# KiCad board RADAR_Main_Board_FIXED.kicad_pcb (continued)
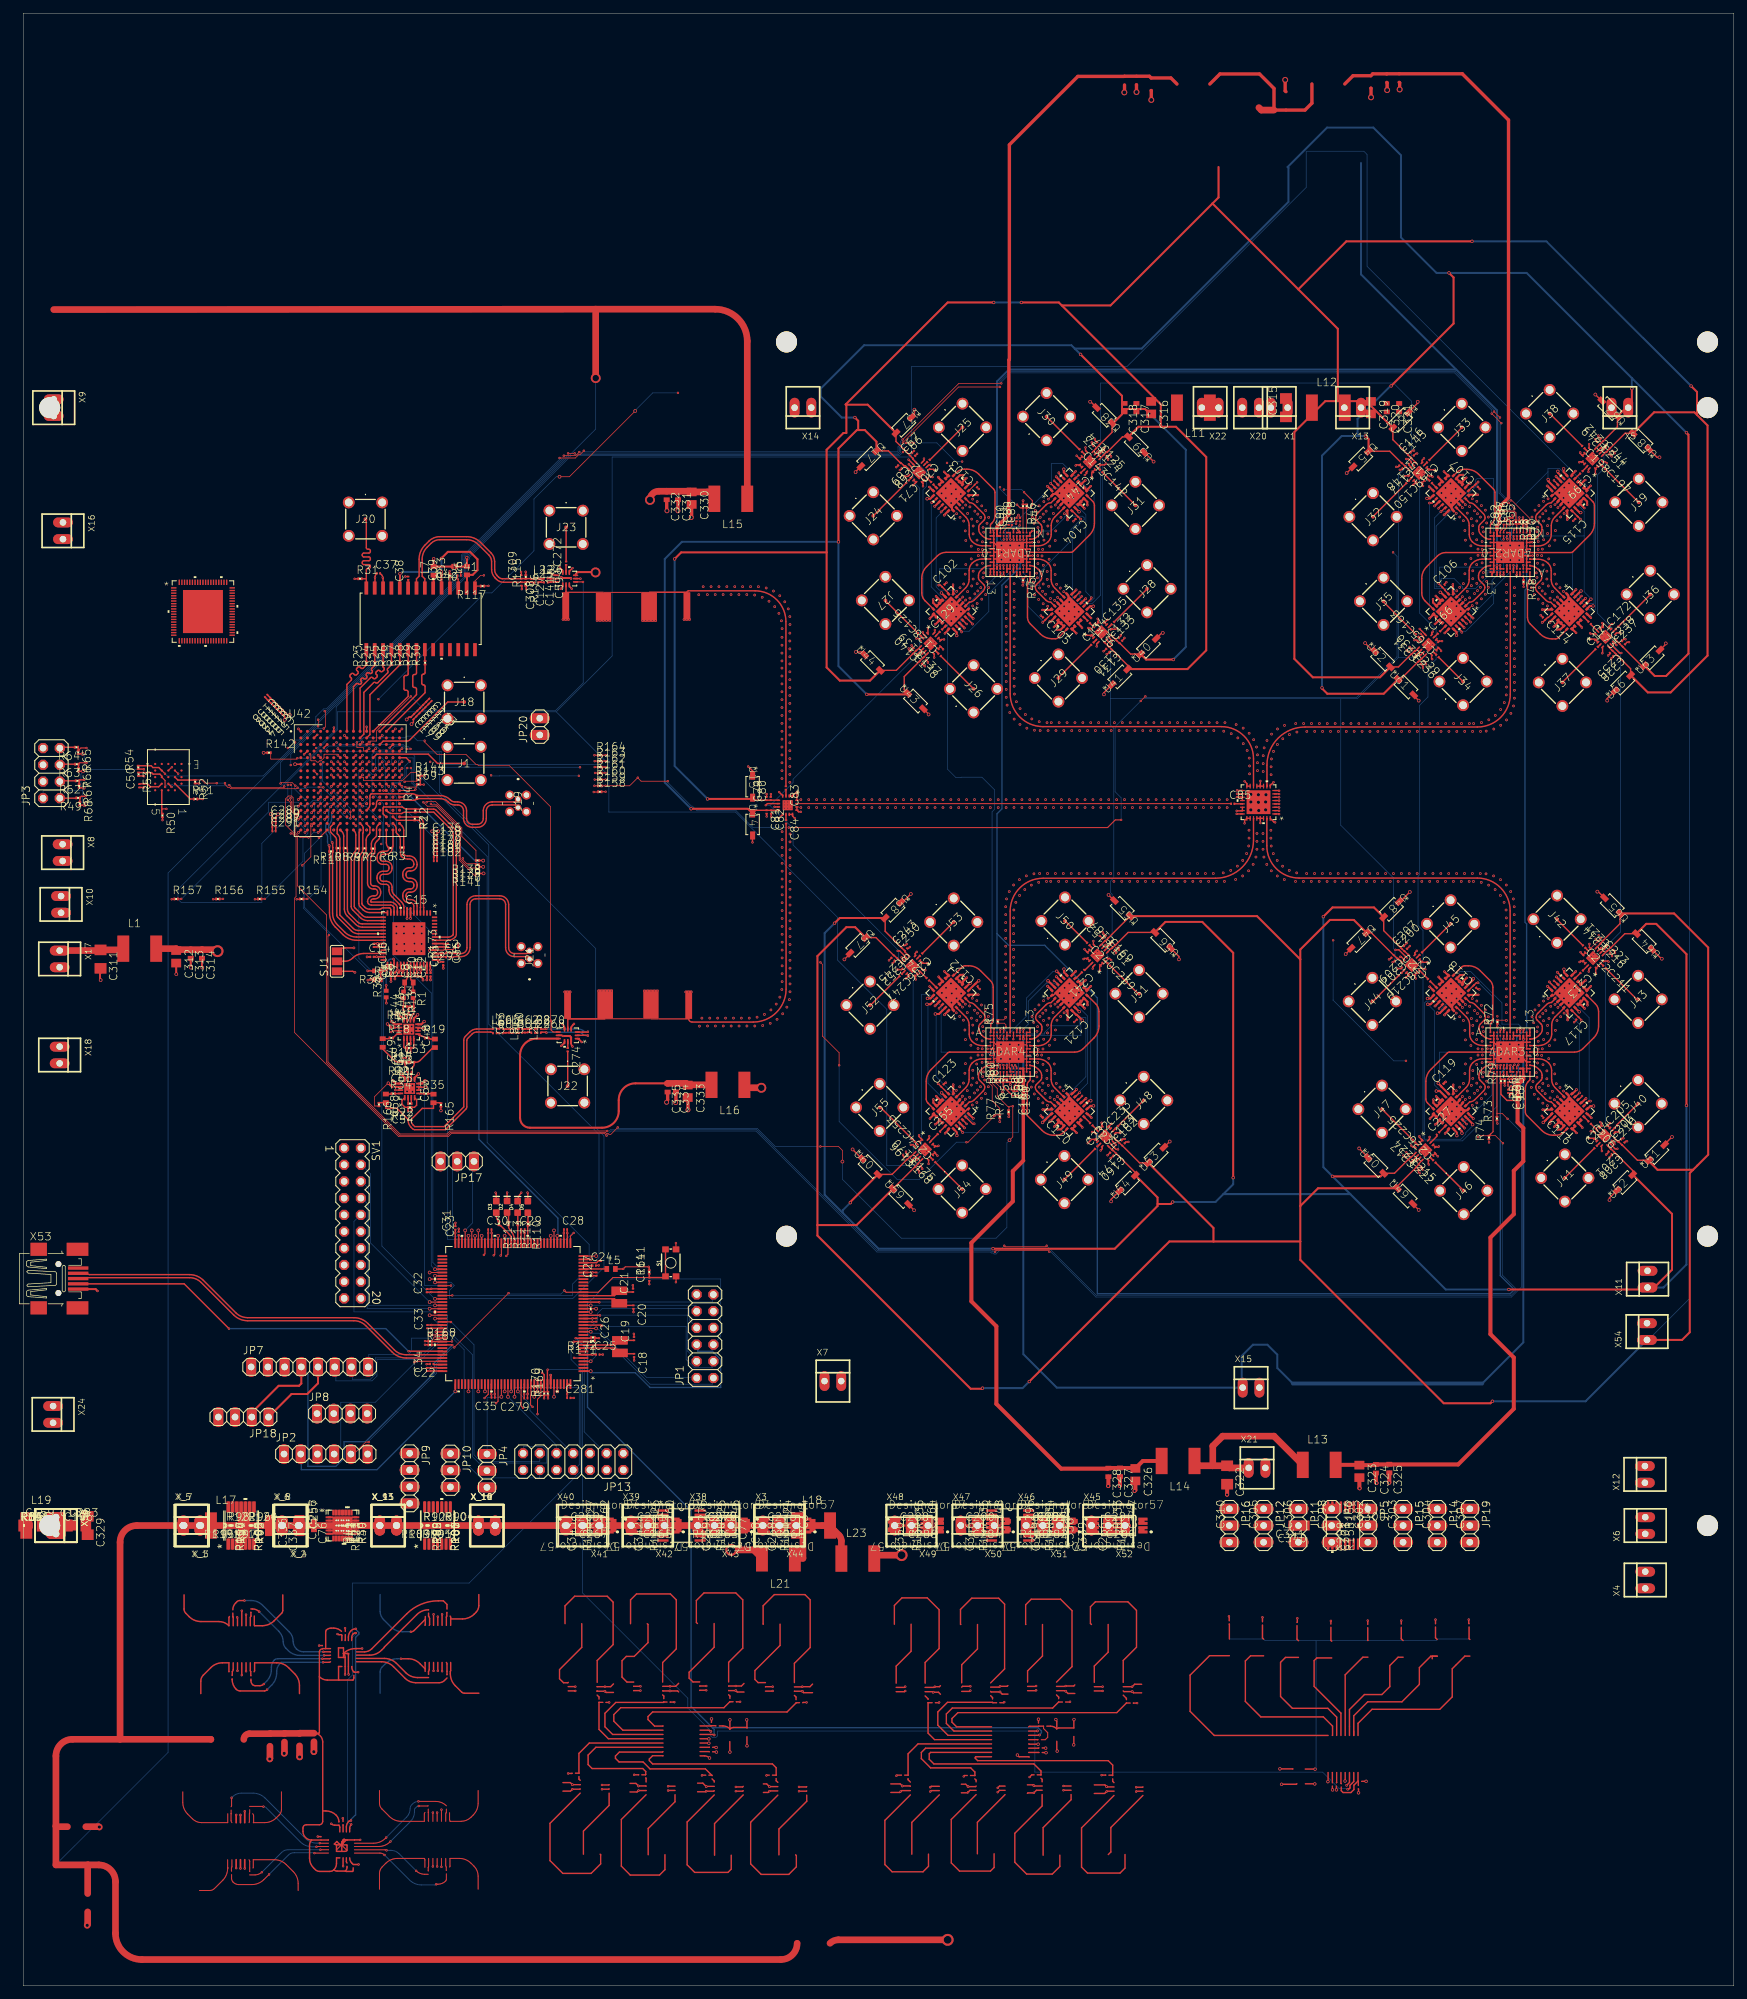
[diagram p0: board, top side]
## Footprints (pads in the part's own frame, mm; a bottom-side part is the same pattern mirrored in y, then rotated) (continued)
SJ_2
  rect 1.168x1.6 smd: 1(-1.524,0) 2(0,0) 3(1.524,0)
SOD-123_ONS
  rect 1.219x0.762 smd: 1(-1.676,0) 2(1.676,0)
TACTILE_SWITCH_SMD_4.6X2.8MM
  rect 0.9x1 smd: 1(-2.05,-0.8) 2(2.05,-0.8) 3(2.05,0.8) 4(-2.05,0.8)
UDB_12_ADI
  rrect 0.813x0.254 smd: 1(-1.448,0.5) 2(-1.448,0) 3(-1.448,-0.5) 7(1.448,-0.5) 8(1.448,0) 9(1.448,0.5)
  rrect 0.254x0.813 smd: 4(-0.5,-0.953) 5(0,-0.953) 6(0.5,-0.953) 10(0.5,0.953) 11(0,0.953) 12(-0.5,0.953)
XTAL_NX3225GD-8MHZ-STD-CRA-3_N
  rect 1.295x2.388 smd: 1(-0.953,0) 2(0.953,0)

## Nets
+1V0_FPGA: U42.E10 U42.F7 U42.F9 U42.F11 U42.G6 U42.H9 U42.J6 U42.J8 U42.K9 U42.L8 X8.1
+1V8_CLOCK: C311.1 L1.1 X17.1
+1V8_CLOCK_F: C4.2 C5.2 C6.2 C7.2 C8.2 C9.2 C10.2 C11.2 C12.2 C13.2 C14.2 C293.2 C312.1 C313.1 C314.1 L1.2 SJ1.3 U1.27 U1.30 U1.32 U1.33 U1.34 U1.37 U1.38 U1.39 U1.41 U1.42 U1.43 U1.46
+1V8_FPGA: C15.2 C16.2 C36.2 C285.2 C287.2 C289.2 C291.2 R154.1 R155.1 R156.1 R157.1 U1.7 U1.24 U1.47 U42.F8 U42.G8 U42.G10 U42.J10 U42.K11 U42.L10 U42.M3 U42.R4 U42.T1 X10.1
+3V3: C25.1 C26.1 C27.1 C28.1 C29.1 C30.1 C31.1 C32.1 C33.1 C34.1 C35.1 C279.1 C281.1 JP2.1 JP7.2 JP8.1 JP18.4 L5.2 R111.2 R167.1 R168.1 R169.1 R170.1 R171.1 R172.1 U2.6 U2.17 U2.30 U2.39 U2.52 U2.62 U2.72 U2.84 U2.95 U2.108 U2.121 U2.131 U2.143 U2.144 X24.1
+3V3_ADAR1_F: ADAR1_0.M10 ADAR1_0.M11 ADAR1_0.N11 C316.1 C317.1 C318.1 L11.2
+3V3_ADAR2_F: ADAR2_0.M10 ADAR2_0.M11 ADAR2_0.N11 C319.1 C320.1 C321.1 L12.2 R78.1
+3V3_ADAR3_F: ADAR3_0.M10 ADAR3_0.M11 ADAR3_0.N11 C323.1 C324.1 C325.1 L13.2 R79.1
+3V3_ADAR4_F: ADAR4_0.M10 ADAR4_0.M11 ADAR4_0.N11 C326.1 C327.1 C328.1 L14.2 R80.1 R81.1
+3V3_ADAR12: C315.1 L11.1 L12.1 X20.1
+3V3_ADAR34: C322.1 L13.1 L14.1 X21.1
+3V3_ADTR: ADTR1107_1.24 ADTR1107_2.24 ADTR1107_3.24 ADTR1107_4.24 ADTR1107_5.24 ADTR1107_6.24 ADTR1107_7.24 ADTR1107_8.24 ADTR1107_9.24 ADTR1107_10.24 ADTR1107_11.24 ADTR1107_12.24 ADTR1107_13.24 ADTR1107_14.24 ADTR1107_15.24 ADTR1107_16.24 X4.1
+3V3_AN: C40.1 C42.1 C283.1 C329.1 L6.2 L15.1 L16.1 L17.1 L18.1 L21.1 L23.1 X9.1 X56.1
+3V3_AN1_F: C330.1 C331.1 C332.1 L15.2 U5.9
+3V3_AN2_F: C333.1 C334.1 C335.1 L16.2 U13.9
+3V3_AN3_F: C75.1 C76.1 C256.1 C257.1 C336.1 C337.1 L17.2 R39.2 R40.2 R42.1 R44.1 R123.2 U7.2 U7.8 U7.9 U69.2 U69.8 U69.9
+3V3_AN4_F: C77.1 C78.1 C298.1 C302.1 C303.1 C304.1 C305.1 C306.1 C307.1 C310.1 C338.1 C339.1 C340.1 C341.1 JP5.1 JP6.1 JP11.1 JP12.1 JP14.1 JP15.1 JP16.1 JP19.1 L18.2 R132.1 R150.1 R152.1
+3V3_AN5_F: C258.1 C259.1 C260.1 C262.1 C342.1 C343.1 C344.1 C345.1 L21.2 U11.6 U73.6 U74.6 U75.6 U76.6 U77.6 U78.6 U79.6
+3V3_AN6_F: C264.1 C266.1 C346.1 C347.1 C348.1 C349.1 C350.1 C351.1 L23.2 U80.6 U81.6 U82.6 U83.6 U84.6 U85.6 U86.6 U87.6
+3V3_FPGA: C17.2 C37.1 C41.1 C50.2 C55.2 C108.2 C109.2 C110.2 C111.2 C112.2 C113.2 C153.2 C154.2 C155.2 C156.2 C157.2 C158.2 C159.1 C176.2 C177.2 C178.2 C179.2 C180.2 C181.2 C182.2 JP3.2 L19.1 R50.2 R52.2 R53.2 R54.1 R65.2 R66.2 R67.2 R68.2 R69.2 R138.1 R141.1 R142.1 R143.2 R144.2 U3.17 U3.27 U9.B4 U42.A6 U42.A16 U42.B3 U42.B13 U42.C10 U42.D7 U42.E4 U42.E14 U42.F1 U42.H15 U42.J2 U42.J12 U42.L6 U42.L16 U42.M13 U42.N10 U42.P7 U42.R14 U42.T11 X16.1
+3V3_FT: C184.1 C185.1 C186.1 L19.2
+3V3_VDD_SW: ADTR1107_1.19 ADTR1107_2.19 ADTR1107_3.19 ADTR1107_4.19 ADTR1107_5.19 ADTR1107_6.19 ADTR1107_7.19 ADTR1107_8.19 ADTR1107_9.19 ADTR1107_10.19 ADTR1107_11.19 ADTR1107_12.19 ADTR1107_13.19 ADTR1107_14.19 ADTR1107_15.19 ADTR1107_16.19 X12.1
+3V4: C68.1 C69.1 C81.1 C82.1 C124.1 C125.1 C132.1 C133.1 C139.1 C140.1 C147.1 C148.1 C161.1 C162.1 C169.1 C170.1 C183.1 C196.1 C202.1 C203.1 C209.1 C210.1 C216.1 C217.1 C223.1 C224.1 C230.1 C231.1 C237.1 C238.1 C244.1 C245.1 C251.1 C252.1 RF_SW_1.8 RF_SW_2.8 RF_SW_3.8 RF_SW_4.8 RF_SW_5.8 RF_SW_6.8 RF_SW_7.8 RF_SW_8.8 RF_SW_9.8 RF_SW_10.8 RF_SW_11.8 RF_SW_12.8 RF_SW_13.8 RF_SW_14.8 RF_SW_15.8 RF_SW_16.8 U14.1 U17.1 U38.1 U40.1 U43.1 U45.1 U47.1 U49.1 U51.1 U53.1 U55.1 U57.1 U59.1 U61.1 U63.1 U65.1 U67.1 U$1.8 X1.1 X54.1
+5V0_0: U4.8 U4.13 U8.8 U8.13 X18.1
+5V0_PA_1: ADTR1107_1.8 ADTR1107_2.8 ADTR1107_3.8 ADTR1107_4.8 ADTR1107_7.8 X14.1
+5V0_PA_2: ADTR1107_5.8 ADTR1107_6.8 ADTR1107_8.8 ADTR1107_10.8 ADTR1107_12.8 X5.1
+5V0_PA_3: ADTR1107_9.8 ADTR1107_11.8 ADTR1107_13.8 ADTR1107_14.8 ADTR1107_15.8 ADTR1107_16.8 X7.1
+5V5_PA: OPA_1.4 OPA_2.4 OPA_3.4 OPA_4.4 X55.1
-3V3_SW: ADTR1107_1.21 ADTR1107_2.21 ADTR1107_3.21 ADTR1107_4.21 ADTR1107_5.21 ADTR1107_6.21 ADTR1107_7.21 ADTR1107_8.21 ADTR1107_9.21 ADTR1107_10.21 ADTR1107_11.21 ADTR1107_12.21 ADTR1107_13.21 ADTR1107_14.21 ADTR1107_15.21 ADTR1107_16.21 X6.1
-3V4: C66.1 C67.1 C73.1 C74.1 C79.1 C80.1 C130.1 C131.1 C137.1 C138.1 C145.1 C146.1 C152.1 C160.1 C167.1 C168.1 C174.1 C175.1 C200.1 C201.1 C207.1 C208.1 C214.1 C215.1 C221.1 C222.1 C228.1 C229.1 C235.1 C236.1 C242.1 C243.1 C249.1 C250.1 RF_SW_1.5 RF_SW_2.5 RF_SW_3.5 RF_SW_4.5 RF_SW_5.5 RF_SW_6.5 RF_SW_7.5 RF_SW_8.5 RF_SW_9.5 RF_SW_10.5 RF_SW_11.5 RF_SW_12.5 RF_SW_13.5 RF_SW_14.5 RF_SW_15.5 RF_SW_16.5 U15.2 U37.2 U39.2 U41.2 U44.2 U46.2 U48.2 U50.2 U52.2 U54.2 U56.2 U58.2 U60.2 U62.2 U64.2 U66.2 U68.2 U$1.5 X11.1 X22.1
-5V0_ADAR12: ADAR1_0.B11 ADAR2_0.B11 X13.1
-5V0_ADAR34: ADAR3_0.B11 ADAR4_0.B11 X15.1
-5V5_PA: OPA_1.11 OPA_2.11 OPA_3.11 OPA_4.11 X19.1
AVDD: U6.2
GND: ADAR1_0.89 ADAR1_0.A2 ADAR1_0.A6 ADAR1_0.A8 ADAR1_0.A12 ADAR1_0.A13 ADAR1_0.B1 ADAR1_0.B2 ADAR1_0.B6 ADAR1_0.B7 ADAR1_0.B8 ADAR1_0.B9 ADAR1_0.B10 ADAR1_0.B12 ADAR1_0.B13 ADAR1_0.C2 ADAR1_0.C12 ADAR1_0.D1 ADAR1_0.D2 ADAR1_0.D12 ADAR1_0.D13 ADAR1_0.E2 ADAR1_0.E12 ADAR1_0.F1 ADAR1_0.F2 ADAR1_0.F12 ADAR1_0.F13 ADAR1_0.G2 ADAR1_0.G12 ADAR1_0.H1 ADAR1_0.H2 ADAR1_0.H12 ADAR1_0.H13 ADAR1_0.J2 ADAR1_0.J12 ADAR1_0.K1 ADAR1_0.K2 ADAR1_0.K12 ADAR1_0.K13 ADAR1_0.L2 ADAR1_0.L12 ADAR1_0.M1 ADAR1_0.M2 ADAR1_0.M7 ADAR1_0.M12 ADAR1_0.M13 ADAR1_0.N1 ADAR1_0.N4 ADAR1_0.N5 ADAR1_0.N7 ADAR1_0.N8 ADAR1_0.N12 ADAR2_0.89 ADAR2_0.A2 ADAR2_0.A6 ADAR2_0.A8 ADAR2_0.A12 ADAR2_0.A13 ADAR2_0.B1 ADAR2_0.B2 ADAR2_0.B6 ADAR2_0.B7 ADAR2_0.B8 ADAR2_0.B9 ADAR2_0.B10 ADAR2_0.B12 ADAR2_0.B13 ADAR2_0.C2 ADAR2_0.C12 ADAR2_0.D1 ADAR2_0.D2 ADAR2_0.D12 ADAR2_0.D13 ADAR2_0.E2 ADAR2_0.E12 ADAR2_0.F1 ADAR2_0.F2 ADAR2_0.F12 ADAR2_0.F13 ADAR2_0.G2 ADAR2_0.G12 ADAR2_0.H1 ADAR2_0.H2 ADAR2_0.H12 ADAR2_0.H13 ADAR2_0.J2 ADAR2_0.J12 ADAR2_0.K1 ADAR2_0.K2 ADAR2_0.K12 ADAR2_0.K13 ADAR2_0.L2 ADAR2_0.L12 ADAR2_0.M1 ADAR2_0.M2 ADAR2_0.M7 ADAR2_0.M12 ADAR2_0.M13 ADAR2_0.N1 ADAR2_0.N4 ADAR2_0.N7 ADAR2_0.N8 ADAR2_0.N12 ADAR3_0.89 ADAR3_0.A2 ADAR3_0.A6 ADAR3_0.A8 ADAR3_0.A12 ADAR3_0.A13 ADAR3_0.B1 ADAR3_0.B2 ADAR3_0.B6 ADAR3_0.B7 ADAR3_0.B8 ADAR3_0.B9 ADAR3_0.B10 ADAR3_0.B12 ADAR3_0.B13 ADAR3_0.C2 ADAR3_0.C12 ADAR3_0.D1 ADAR3_0.D2 ADAR3_0.D12 ADAR3_0.D13 ADAR3_0.E2 ADAR3_0.E12 ADAR3_0.F1 ADAR3_0.F2 ADAR3_0.F12 ADAR3_0.F13 ADAR3_0.G2 ADAR3_0.G12 ADAR3_0.H1 ADAR3_0.H2 ADAR3_0.H12 ADAR3_0.H13 ADAR3_0.J2 ADAR3_0.J12 ADAR3_0.K1 ADAR3_0.K2 ADAR3_0.K12 ADAR3_0.K13 ADAR3_0.L2 ADAR3_0.L12 ADAR3_0.M1 ADAR3_0.M2 ADAR3_0.M7 ADAR3_0.M12 ADAR3_0.M13 ADAR3_0.N1 ADAR3_0.N5 ADAR3_0.N7 ADAR3_0.N8 ADAR3_0.N12 ADAR4_0.89 ADAR4_0.A2 ADAR4_0.A6 ADAR4_0.A8 ADAR4_0.A12 ADAR4_0.A13 ADAR4_0.B1 ADAR4_0.B2 ADAR4_0.B6 ADAR4_0.B7 ADAR4_0.B8 ADAR4_0.B9 ADAR4_0.B10 ADAR4_0.B12 ADAR4_0.B13 ADAR4_0.C2 ADAR4_0.C12 ADAR4_0.D1 ADAR4_0.D2 ADAR4_0.D12 ADAR4_0.D13 ADAR4_0.E2 ADAR4_0.E12 ADAR4_0.F1 ADAR4_0.F2 ADAR4_0.F12 ADAR4_0.F13 ADAR4_0.G2 ADAR4_0.G12 ADAR4_0.H1 ADAR4_0.H2 ADAR4_0.H12 ADAR4_0.H13 ADAR4_0.J2 ADAR4_0.J12 ADAR4_0.K1 ADAR4_0.K2 ADAR4_0.K12 ADAR4_0.K13 ADAR4_0.L2 ADAR4_0.L12 ADAR4_0.M1 ADAR4_0.M2 ADAR4_0.M7 ADAR4_0.M12 ADAR4_0.M13 ADAR4_0.N1 ADAR4_0.N7 ADAR4_0.N8 ADAR4_0.N12 ADTR1107_1.1 ADTR1107_1.3 ADTR1107_1.4 ADTR1107_1.6 ADTR1107_1.9 ADTR1107_1.10 ADTR1107_1.11 ADTR1107_1.13 ADTR1107_1.14 ADTR1107_1.15 ADTR1107_1.16 ADTR1107_1.18 ADTR1107_1.22 ADTR1107_1.25 ADTR1107_2.1 ADTR1107_2.3 ADTR1107_2.4 ADTR1107_2.6 ADTR1107_2.9 ADTR1107_2.10 ADTR1107_2.11 ADTR1107_2.13 ADTR1107_2.14 ADTR1107_2.15 ADTR1107_2.16 ADTR1107_2.18 ADTR1107_2.22 ADTR1107_2.25 ADTR1107_3.1 ADTR1107_3.3 ADTR1107_3.4 ADTR1107_3.6 ADTR1107_3.9 ADTR1107_3.10 ADTR1107_3.11 ADTR1107_3.13 ADTR1107_3.14 ADTR1107_3.15 ADTR1107_3.16 ADTR1107_3.18 ADTR1107_3.22 ADTR1107_3.25 ADTR1107_4.1 ADTR1107_4.3 ADTR1107_4.4 ADTR1107_4.6 ADTR1107_4.9 ADTR1107_4.10 ADTR1107_4.11 ADTR1107_4.13 ADTR1107_4.14 ADTR1107_4.15 ADTR1107_4.16 ADTR1107_4.18 ADTR1107_4.22 ADTR1107_4.25 ADTR1107_5.1 ADTR1107_5.3 ADTR1107_5.4 ADTR1107_5.6 ADTR1107_5.9 ADTR1107_5.10 ADTR1107_5.11 ADTR1107_5.13 ADTR1107_5.14 ADTR1107_5.15 ADTR1107_5.16 ADTR1107_5.18 ADTR1107_5.22 ADTR1107_5.25 ADTR1107_6.1 ADTR1107_6.3 ADTR1107_6.4 ADTR1107_6.6 ADTR1107_6.9 ADTR1107_6.10 ADTR1107_6.11 ADTR1107_6.13 ADTR1107_6.14 ADTR1107_6.15 ADTR1107_6.16 ADTR1107_6.18 ADTR1107_6.22 ADTR1107_6.25 ADTR1107_7.1 ADTR1107_7.3 ADTR1107_7.4 ADTR1107_7.6 ADTR1107_7.9 ADTR1107_7.10 ADTR1107_7.11 ADTR1107_7.13 ADTR1107_7.14 ADTR1107_7.15 ADTR1107_7.16 ADTR1107_7.18 ADTR1107_7.22 ADTR1107_7.25 ADTR1107_8.1 ADTR1107_8.3 ADTR1107_8.4 ADTR1107_8.6 ADTR1107_8.9 ADTR1107_8.10 ADTR1107_8.11 ADTR1107_8.13 ADTR1107_8.14 ADTR1107_8.15 ADTR1107_8.16 ADTR1107_8.18 ADTR1107_8.22 ADTR1107_8.25 ADTR1107_9.1 ADTR1107_9.3 ADTR1107_9.4 ADTR1107_9.6 ADTR1107_9.9 ADTR1107_9.10 ADTR1107_9.11 ADTR1107_9.13 ADTR1107_9.14 ADTR1107_9.15 ADTR1107_9.16 ADTR1107_9.18 ADTR1107_9.22 ADTR1107_9.25 ADTR1107_10.1 ADTR1107_10.3 ADTR1107_10.4 ADTR1107_10.6 ADTR1107_10.9 ADTR1107_10.10 ADTR1107_10.11 ADTR1107_10.13 ADTR1107_10.14 ADTR1107_10.15 ADTR1107_10.16 ADTR1107_10.18 ADTR1107_10.22 ADTR1107_10.25 ADTR1107_11.1 ADTR1107_11.3 ADTR1107_11.4 ADTR1107_11.6 ADTR1107_11.9 ADTR1107_11.10 ADTR1107_11.11 ADTR1107_11.13 ADTR1107_11.14 ADTR1107_11.15 ADTR1107_11.16 ADTR1107_11.18 ADTR1107_11.22 ADTR1107_11.25 ADTR1107_12.1 ADTR1107_12.3 ADTR1107_12.4 ADTR1107_12.6 ADTR1107_12.9 ADTR1107_12.10 ADTR1107_12.11 ADTR1107_12.13 ADTR1107_12.14 ADTR1107_12.15 ADTR1107_12.16 ADTR1107_12.18 ADTR1107_12.22 ADTR1107_12.25 ADTR1107_13.1 ADTR1107_13.3 ADTR1107_13.4 ADTR1107_13.6 ADTR1107_13.9 ADTR1107_13.10 ADTR1107_13.11 ADTR1107_13.13 ADTR1107_13.14 ADTR1107_13.15 ADTR1107_13.16 ADTR1107_13.18 ADTR1107_13.22 ADTR1107_13.25 ADTR1107_14.1 ADTR1107_14.3 ADTR1107_14.4 ADTR1107_14.6 ADTR1107_14.9 ADTR1107_14.10 ADTR1107_14.11 ADTR1107_14.13 ADTR1107_14.14 ADTR1107_14.15 ADTR1107_14.16 ADTR1107_14.18 ADTR1107_14.22 ADTR1107_14.25 ADTR1107_15.1 ADTR1107_15.3 ADTR1107_15.4 ADTR1107_15.6 ADTR1107_15.9 ADTR1107_15.10 ADTR1107_15.11 ADTR1107_15.13 ADTR1107_15.14 ADTR1107_15.15 ADTR1107_15.16 ADTR1107_15.18 ADTR1107_15.22 ADTR1107_15.25 ADTR1107_16.1 ADTR1107_16.3 ADTR1107_16.4 ADTR1107_16.6 ADTR1107_16.9 ADTR1107_16.10 ADTR1107_16.11 ADTR1107_16.13 ADTR1107_16.14 ADTR1107_16.15 ADTR1107_16.16 ADTR1107_16.18 ADTR1107_16.22 ADTR1107_16.25 C4.1 C5.1 C6.1 C7.1 C8.1 C9.1 C10.1 C11.1 C12.1 C13.1 C14.1 C15.1 C16.1 C17.1 C18.2 C19.2 C20.2 C21.2 C22.2 C23.2 C24.2 C25.2 C26.2 C27.2 C28.2 C29.2 C30.2 C31.2 C32.2 C33.2 C34.2 C35.2 C36.1 C37.2 C38.2 C40.2 C41.2 C42.2 C46.1 C47.1 C50.1 C53.1 C55.1 C56.1 C66.2 C67.2 C68.2 C69.2 C73.2 C74.2 C75.2 C76.2 C77.2 C78.2 C79.2 C80.2 C81.2 C82.2 C86.2 C87.2 C88.2 C89.2 C90.2 C91.2 C92.2 C93.2 C94.2 C95.2 C96.2 C97.2 C98.2 C99.2 C100.2 C101.2 C102.2 C103.2 C104.2 C105.2 C106.2 C107.2 C108.1 C109.1 C110.1 C111.1 C112.1 C113.1 C114.2 C115.2 C116.2 C117.2 C118.2 C119.2 C120.2 C121.2 C122.2 C123.2 C124.2 C125.2 C130.2 C131.2 C132.2 C133.2 C137.2 C138.2 C139.2 C140.2 C145.2 C146.2 C147.2 C148.2 C152.2 C153.1 C154.1 C155.1 C156.1 C157.1 C158.1 C159.2 C160.2 C161.2 C162.2 C164.1 C167.2 C168.2 C169.2 C170.2 C174.2 C175.2 C176.1 C177.1 C178.1 C179.1 C180.1 C181.1 C182.1 C183.2 C184.2 C185.2 C186.2 C196.2 C200.2 C201.2 C202.2 C203.2 C207.2 C208.2 C209.2 C210.2 C214.2 C215.2 C216.2 C217.2 C221.2 C222.2 C223.2 C224.2 C228.2 C229.2 C230.2 C231.2 C235.2 C236.2 C237.2 C238.2 C242.2 C243.2 C244.2 C245.2 C249.2 C250.2 C251.2 C252.2 C256.2 C257.2 C258.2 C259.2 C260.2 C261.1 C262.2 C263.1 C264.2 C265.1 C266.2 C267.1 C269.1 C271.1 C273.1 C275.1 C276.2 C277.2 C278.2 C279.2 C280.1 C281.2 C282.1 C283.2 C284.1 C285.1 C286.1 C287.1 C288.1 C289.1 C290.1 C291.1 C292.1 C293.1 C294.1 C295.2 C296.2 C297.2 C298.2 C299.2 C300.2 C301.2 C302.2 C303.2 C304.2 C305.2 C306.2 C307.2 C308.2 C309.2 C310.2 C311.2 C312.2 C313.2 C314.2 C315.2 C316.2 C317.2 C318.2 C319.2 C320.2 C321.2 C322.2 C323.2 C324.2 C325.2 C326.2 C327.2 C328.2 C329.2 C330.2 C331.2 C332.2 C333.2 C334.2 C335.2 C336.2 C337.2 C338.2 C339.2 C340.2 C341.2 C342.2 C343.2 C344.2 C345.2 C346.2 C347.2 C348.2 C349.2 C350.2 C351.2 D2.C D3.C D4.C D5.C J1.2 J1.3 J1.4 J1.5 J18.2 J18.3 J18.4 J18.5 J19.MH1 J19.MH2 J19.MH3 J19.MH4 J20.2 J20.3 J20.4 J20.5 J21.MH1 J21.MH2 J21.MH3 J21.MH4 J22.2 J22.3 J22.4 J22.5 J23.2 J23.3 J23.4 J23.5 J24.2 J24.3 J24.4 J24.5 J25.2 J25.3 J25.4 J25.5 J26.2 J26.3 J26.4 J26.5 J27.2 J27.3 J27.4 J27.5 J28.2 J28.3 J28.4 J28.5 J29.2 J29.3 J29.4 J29.5 J30.2 J30.3 J30.4 J30.5 J31.2 J31.3 J31.4 J31.5 J32.2 J32.3 J32.4 J32.5 J33.2 J33.3 J33.4 J33.5 J34.2 J34.3 J34.4 J34.5 J35.2 J35.3 J35.4 J35.5 J36.2 J36.3 J36.4 J36.5 J37.2 J37.3 J37.4 J37.5 J38.2 J38.3 J38.4 J38.5 J39.2 J39.3 J39.4 J39.5 J40.2 J40.3 J40.4 J40.5 J41.2 J41.3 J41.4 J41.5 J42.2 J42.3 J42.4 J42.5 J43.2 J43.3 J43.4 J43.5 J44.2 J44.3 J44.4 J44.5 J45.2 J45.3 J45.4 J45.5 J46.2 J46.3 J46.4 J46.5 J47.2 J47.3 J47.4 J47.5 J48.2 J48.3 J48.4 J48.5 J49.2 J49.3 J49.4 J49.5 J50.2 J50.3 J50.4 J50.5 J51.2 J51.3 J51.4 J51.5 J52.2 J52.3 J52.4 J52.5 J53.2 J53.3 J53.4 J53.5 J54.2 J54.3 J54.4 J54.5 J55.2 J55.3 J55.4 J55.5 JP1.12 JP2.3 JP3.8 JP4.3 JP5.3 JP6.3 JP7.3 JP8.4 JP9.1 JP9.3 JP10.3 JP11.3 JP12.3 JP13.14 JP14.3 JP15.3 JP16.3 JP17.3 JP18.3 JP19.3 JP20.2 L7.2 OPA_1.3 OPA_1.5 OPA_1.10 OPA_1.12 OPA_2.3 OPA_2.5 OPA_2.10 OPA_2.12 OPA_3.3 OPA_3.5 OPA_3.10 OPA_3.12 OPA_4.3 OPA_4.5 OPA_4.10 OPA_4.12 R31.1 R33.2 R37.1 R38.1 R41.1 R43.1 R45.2 R46.1 R47.1 R48.2 R55.2 R56.2 R57.2 R58.2 R70.1 R71.1 R72.2 R73.1 R74.1 R75.2 R76.1 R77.1 R115.1 R116.1 R117.1 R139.1 R140.1 R158.1 R159.1 R160.1 R161.1 R162.1 R163.1 R164.1 R165.2 R166.2 RF_SW_1.1 RF_SW_1.2 RF_SW_1.4 RF_SW_1.7 RF_SW_1.9 RF_SW_1.11 RF_SW_1.12 RF_SW_1.13 RF_SW_1.14 RF_SW_1.16 RF_SW_1.17 RF_SW_2.1 RF_SW_2.2 RF_SW_2.4 RF_SW_2.7 RF_SW_2.9 RF_SW_2.11 RF_SW_2.12 RF_SW_2.13 RF_SW_2.14 RF_SW_2.16 RF_SW_2.17 RF_SW_3.1 RF_SW_3.2 RF_SW_3.4 RF_SW_3.7 RF_SW_3.9 RF_SW_3.11 RF_SW_3.12 RF_SW_3.13 RF_SW_3.14 RF_SW_3.16 RF_SW_3.17 RF_SW_4.1 RF_SW_4.2 RF_SW_4.4 RF_SW_4.7 RF_SW_4.9 RF_SW_4.11 RF_SW_4.12 RF_SW_4.13 RF_SW_4.14 RF_SW_4.16 RF_SW_4.17 RF_SW_5.1 RF_SW_5.2 RF_SW_5.4 RF_SW_5.7 RF_SW_5.9 RF_SW_5.11 RF_SW_5.12 RF_SW_5.13 RF_SW_5.14 RF_SW_5.16 RF_SW_5.17 RF_SW_6.1 RF_SW_6.2 RF_SW_6.4 RF_SW_6.7 RF_SW_6.9 RF_SW_6.11 RF_SW_6.12 RF_SW_6.13 RF_SW_6.14 RF_SW_6.16 RF_SW_6.17 RF_SW_7.1 RF_SW_7.2 RF_SW_7.4 RF_SW_7.7 RF_SW_7.9 RF_SW_7.11 RF_SW_7.12 RF_SW_7.13 RF_SW_7.14 RF_SW_7.16 RF_SW_7.17 RF_SW_8.1 RF_SW_8.2 RF_SW_8.4 RF_SW_8.7 RF_SW_8.9 RF_SW_8.11 RF_SW_8.12 RF_SW_8.13 RF_SW_8.14 RF_SW_8.16 RF_SW_8.17 RF_SW_9.1 RF_SW_9.2 RF_SW_9.4 RF_SW_9.7 RF_SW_9.9 RF_SW_9.11 RF_SW_9.12 RF_SW_9.13 RF_SW_9.14 RF_SW_9.16 RF_SW_9.17 RF_SW_10.1 RF_SW_10.2 RF_SW_10.4 RF_SW_10.7 RF_SW_10.9 RF_SW_10.11 RF_SW_10.12 RF_SW_10.13 RF_SW_10.14 RF_SW_10.16 RF_SW_10.17 RF_SW_11.1 RF_SW_11.2 RF_SW_11.4 RF_SW_11.7 RF_SW_11.9 RF_SW_11.11 RF_SW_11.12 RF_SW_11.13 RF_SW_11.14 RF_SW_11.16 RF_SW_11.17 RF_SW_12.1 RF_SW_12.2 RF_SW_12.4 RF_SW_12.7 RF_SW_12.9 RF_SW_12.11 RF_SW_12.12 RF_SW_12.13 RF_SW_12.14 RF_SW_12.16 RF_SW_12.17 RF_SW_13.1 RF_SW_13.2 RF_SW_13.4 RF_SW_13.7 RF_SW_13.9 RF_SW_13.11 RF_SW_13.12 RF_SW_13.13 RF_SW_13.14 RF_SW_13.16 RF_SW_13.17 RF_SW_14.1 RF_SW_14.2 RF_SW_14.4 RF_SW_14.7 RF_SW_14.9 RF_SW_14.11 RF_SW_14.12 RF_SW_14.13 RF_SW_14.14 RF_SW_14.16 RF_SW_14.17 RF_SW_15.1 RF_SW_15.2 RF_SW_15.4 RF_SW_15.7 RF_SW_15.9 RF_SW_15.11 RF_SW_15.12 RF_SW_15.13 RF_SW_15.14 RF_SW_15.16 RF_SW_15.17 RF_SW_16.1 RF_SW_16.2 RF_SW_16.4 RF_SW_16.7 RF_SW_16.9 RF_SW_16.11 RF_SW_16.12 RF_SW_16.13 RF_SW_16.14 RF_SW_16.16 RF_SW_16.17 S1.1 S1.2 SJ1.1 SV1.12 SV1.14 SV1.16 SV1.18 SV1.20 U1.8 U1.23 U1.48 U1.57 U2.16 U2.31 U2.38 U2.51 U2.61 U2.83 U2.94 U2.107 U2.120 U2.130 U2.138 U3.26 U4.6 U4.7 U4.9 U4.12 U4.17 U5.1 U5.4 U5.6 U5.8 U5.10 U5.12 U7.10 U7.11 U7.17 U7.25 U8.6 U8.7 U8.9 U8.12 U8.17 U9.B3 U10.9 U10.12 U10.13 U11.2 U11.3 U11.7 U13.1 U13.4 U13.6 U13.8 U13.10 U13.12 U14.2 U15.1 U16.1 U16.2 U16.3 U16.4 U16.5 U16.6 U16.7 U16.8 U16.9 U16.11 U16.12 U16.13 U16.15 U16.16 U16.17 U16.18 U16.19 U16.20 U16.22 U16.23 U16.24 U16.25 U16.26 U16.28 U16.29 U16.30 U16.32 U16.33 U17.2 U37.1 U38.2 U39.1 U40.2 U41.1 U42.A1 U42.A11 U42.B8 U42.C5 U42.C15 U42.D2 U42.D12 U42.E9 U42.F6 U42.F10 U42.F16 U42.G3 U42.G7 U42.G9 U42.G13 U42.H6 U42.H7 U42.H8 U42.J7 U42.J9 U42.J11 U42.K4 U42.K6 U42.K7 U42.K8 U42.K14 U42.L1 U42.L11 U42.M8 U42.N5 U42.N15 U42.P2 U42.P12 U42.R9 U42.T6 U42.T16 U43.2 U44.1 U45.2 U46.1 U47.2 U48.1 U49.2 U50.1 U51.2 U52.1 U53.2 U54.1 U55.2 U56.1 U57.2 U58.1 U59.2 U60.1 U61.2 U62.1 U63.2 U64.1 U65.2 U66.1 U67.2 U68.1 U69.10 U69.17 U69.25 U73.2 U73.3 U73.7 U74.2 U74.3 U74.7 U75.2 U75.3 U75.7 U76.2 U76.3 U76.7 U77.2 U77.3 U77.7 U78.2 U78.3 U78.7 U79.2 U79.3 U79.7 U80.2 U80.3 U80.7 U81.2 U81.3 U81.7 U82.2 U82.3 U82.7 U83.2 U83.3 U83.7 U84.2 U84.3 U84.7 U85.2 U85.3 U85.7 U86.2 U86.3 U86.7 U87.2 U87.3 U87.7 U88.9 U88.12 U89.9 U89.13 U$1.1 U$1.2 U$1.4 U$1.7 U$1.9 U$1.11 U$1.12 U$1.13 U$1.14 U$1.16 U$1.17 X1.2 X3.3 X4.2 X5.2 X6.2 X7.2 X8.2 X9.2 X10.2 X11.2 X12.2 X13.2 X14.2 X15.2 X16.2 X17.2 X18.2 X19.2 X20.2 X21.2 X22.2 X24.2 X38.3 X39.3 X40.3 X41.3 X42.3 X43.3 X44.3 X45.3 X46.3 X47.3 X48.3 X49.3 X50.3 X51.3 X52.3 X53.5 X54.2 X55.2 X56.2 X_1.2 X_2.2 X_3.2 X_4.2 X_5.2 X_6.2 X_7.2 X_8.2 X_9.2 X_10.2 X_11.2 X_12.2 X_13.2 X_14.2 X_15.2 X_16.2
VBUS: U6.37
VCC33: U6.38
VCC33_2: U6.20
VCC33_3: U6.24
VCCIO: U6.68
VCCIO_2: U6.14
VCCIO_3: U6.49
VCCIO_4: U6.59
VDDA: U6.28
ACC_INT: JP7.7 U2.97
AD9523_CS: JP1.5 U2.19
AD9523_EEPROM_SEL: JP1.11 U2.22
AD9523_PD: JP1.1 U2.13
AD9523_REF_SEL: JP1.2 U2.14
AD9523_RESET: JP1.4 U2.18
AD9523_STATUS0: JP1.9 U2.20
AD9523_STATUS1: JP1.10 U2.21
AD9523_SYNC: JP1.3 U2.15
ADAR_1_CS_1V8: ADAR1_0.M3 R154.2 U42.L5
ADAR_1_CS_3V3: U2.34 U42.F14
ADAR_2_CS_1V8: ADAR2_0.M3 R155.2 U42.L4
ADAR_2_CS_3V3: U2.35 U42.H16
ADAR_3_CS_1V8: ADAR3_0.M3 R156.2 U42.M4
ADAR_3_CS_3V3: U2.36 U42.G16
ADAR_4_CS_1V8: ADAR4_0.M3 R157.2 U42.M2
ADAR_4_CS_3V3: U2.37 U42.J15
ADAR_RX_LOAD_1: ADAR1_0.N2 R47.2 U42.M5
ADAR_RX_LOAD_2: ADAR2_0.N2 R71.2 U42.T2
ADAR_RX_LOAD_3: ADAR3_0.N2 R74.2 U42.R1
ADAR_RX_LOAD_4: ADAR4_0.N2 R77.2 U42.N4
ADAR_TR_1: ADAR1_0.N6 R158.2 U42.N2
ADAR_TR_2: ADAR2_0.N6 R159.2 U42.N1
ADAR_TR_3: ADAR3_0.N6 R160.2 U42.P1
ADAR_TR_4: ADAR4_0.N6 R161.2 U42.P4
ADAR_TX_LOAD_1: ADAR1_0.N3 R46.2 U42.P3
ADAR_TX_LOAD_2: ADAR2_0.N3 R70.2 U42.T4
ADAR_TX_LOAD_3: ADAR3_0.N3 R73.2 U42.R3
ADAR_TX_LOAD_4: ADAR4_0.N3 R76.2 U42.R2
ADC_CLK_IN_N: C2.1 R173.2 U1.45
ADC_CLK_IN_P: C1.1 R173.1 U1.44
ADC_D0_N: R2.1 U1.3 U42.P16
ADC_D0_P: R2.2 U1.4 U42.P15
ADC_D1_N: R3.1 U1.5 U42.R16
ADC_D1_P: R3.2 U1.6 U42.R15
ADC_D2_N: R6.1 U1.9 U42.T15
ADC_D2_P: R6.2 U1.10 U42.T14
ADC_D3_N: R5.1 U1.11 U42.T13
ADC_D3_P: R5.2 U1.12 U42.R13
ADC_D4_N: R7.1 U1.13 U42.R11
ADC_D4_P: R7.2 U1.14 U42.R10
ADC_D5_N: R9.1 U1.15 U42.T10
ADC_D5_P: R9.2 U1.16 U42.T9
ADC_D6_N: R8.1 U1.17 U42.T8
ADC_D6_P: R8.2 U1.18 U42.T7
ADC_D7_N: R10.1 U1.19 U42.R7
ADC_D7_P: R10.2 U1.20 U42.R6
ADC_DCO_N: R12.1 U1.49 U42.P14
ADC_DCO_P: R12.2 U1.50 U42.N14
ADC_IF_IN_N: C45.2 R1.2 R17.1
ADC_IF_IN_P: C44.2 R13.2 R16.2
ADC_OR_N: R11.1 U1.21 U42.N6
ADC_OR_P: R11.2 U1.22 U42.M6
ADC_PWRD: R36.2 U42.T5
ADF4382_RX_CE: JP13.10 U2.124
ADF4382_RX_CS: JP13.9 U2.125
ADF4382_RX_DELADJ: JP13.12 U2.92
ADF4382_RX_DELSTR: JP13.11 U2.93
ADF4382_RX_LKDET: JP13.13 U2.91
ADF4382_TX_CE: JP13.5 U2.132
ADF4382_TX_CS: JP13.4 U2.129
ADF4382_TX_DELADJ: JP13.7 U2.128
ADF4382_TX_DELSTR: JP13.6 U2.127
ADF4382_TX_LKDET: JP13.8 U2.126
AMP_IF_IN_N: C48.1 C52.2 R21.1
AMP_IF_IN_P: C49.2 C51.2 R20.2
AMP_IN_N: C57.1 L10.1 R165.1
AMP_IN_P: C58.2 L9.1 R166.1
ANT1_1: ADTR1107_3.17 C72.2
ANT1_2: ADTR1107_7.17 C151.2
ANT1_3: ADTR1107_10.17 C206.2
ANT1_4: ADTR1107_14.17 C234.2
ANT2_1: ADTR1107_1.17 C129.2
ANT2_2: ADTR1107_5.17 C166.2
ANT2_3: ADTR1107_12.17 C213.2
ANT2_4: ADTR1107_16.17 C241.2
ANT3_1: ADTR1107_2.17 C136.2
ANT3_2: ADTR1107_6.17 C173.2
ANT3_3: ADTR1107_11.17 C220.2
ANT3_4: ADTR1107_15.17 C248.2
ANT4_1: ADTR1107_4.17 C144.2
ANT4_2: ADTR1107_8.17 C199.2
ANT4_3: ADTR1107_9.17 C227.2
ANT4_4: ADTR1107_13.17 C255.2
DAC_0: R30.1 U42.A14
DAC_1: R29.1 U42.A13
DAC_1_VG_CLR: R40.1 U2.134 U7.12
DAC_1_VG_LDAC: R42.2 U2.135 U7.22
DAC_2: R28.1 U42.A12
DAC_2_VG_CLR: R39.1 U2.139 U69.12
DAC_2_VG_LDAC: R44.2 U2.140 U69.22
DAC_3: R27.1 U42.B11
DAC_4: R26.1 U42.B10
DAC_5: R25.1 U42.A10
DAC_6: R24.1 U42.A9
DAC_7: R23.1 U42.A8
DAC_ACOM: L7.1 U3.20
DAC_AVDD: C39.2 L6.1 U3.16 U3.24
DAC_CLOCK: J20.1 R31.2 U3.28
DAC_IOUT_F_N: C59.2 L27.2 U5.3
DAC_IOUT_F_P: C59.1 L26.2 U5.2
DAC_IOUT_N: C127.2 C308.1 L25.1 R115.2 U3.21
DAC_IOUT_P: C127.1 C309.1 L22.1 R116.2 U3.22
DAC_SLEEP: R117.2 U3.15 U42.A15
DAC_VOUT_VG_1: R94.1 U7.3
DAC_VOUT_VG_2: R87.1 U7.16
DAC_VOUT_VG_3: R93.1 U7.4
DAC_VOUT_VG_4: R88.1 U7.15
DAC_VOUT_VG_5: R82.2 U7.5
DAC_VOUT_VG_6: R85.2 U7.14
DAC_VOUT_VG_7: R59.2 U7.6
DAC_VOUT_VG_8: R86.2 U7.13
DAC_VOUT_VG_9: R118.1 U69.3
DAC_VOUT_VG_10: R101.1 U69.16
DAC_VOUT_VG_11: R109.1 U69.4
DAC_VOUT_VG_12: R102.1 U69.15
DAC_VOUT_VG_13: R108.2 U69.5
DAC_VOUT_VG_14: R99.2 U69.14
DAC_VOUT_VG_15: R107.2 U69.6
DAC_VOUT_VG_16: R100.2 U69.13
DET1_1: ADAR1_0.N13 ADTR1107_3.12
DET1_2: ADAR2_0.N13 ADTR1107_7.12
DET1_3: ADAR3_0.N13 ADTR1107_10.12
DET1_4: ADAR4_0.N13 ADTR1107_14.12
DET2_1: ADAR1_0.G13 ADTR1107_1.12
DET2_2: ADAR2_0.G13 ADTR1107_5.12
DET2_3: ADAR3_0.G13 ADTR1107_12.12
DET2_4: ADAR4_0.G13 ADTR1107_16.12
DET3_1: ADAR1_0.A1 ADTR1107_2.12
DET3_2: ADAR2_0.A1 ADTR1107_6.12
DET3_3: ADAR3_0.A1 ADTR1107_11.12
DET3_4: ADAR4_0.A1 ADTR1107_15.12
DET4_1: ADAR1_0.G1 ADTR1107_4.12
DET4_2: ADAR2_0.G1 ADTR1107_8.12
DET4_3: ADAR3_0.G1 ADTR1107_9.12
DET4_4: ADAR4_0.G1 ADTR1107_13.12
DIG_0: U2.77 U42.F13
DIG_1: U2.78 U42.E16
DIG_2: U2.79 U42.D16
DIG_3: U2.80 U42.F15
DIG_4: U2.81 U42.E15
DIG_5: U2.82 U42.H11
DIG_6: U2.85 U42.G12
DIG_7: U2.86 U42.H12
EN/DIS_COOLING: JP4.1 U2.123
EN/DIS_RFPA_VDD: JP10.1 U2.122
EN_+1V0_FPGA: SV1.1 U2.58
EN_+1V8_CLOCK: SV1.8 U2.89
EN_+1V8_FPGA: SV1.3 U2.59
EN_+3V3_ADAR12: SV1.9 U2.64
EN_+3V3_ADAR34: SV1.11 U2.65
EN_+3V3_ADTR: SV1.13 U2.66
EN_+3V3_CLOCK: SV1.10 U2.90
EN_+3V3_FPGA: SV1.5 U2.60
EN_+3V3_SW: SV1.15 U2.67
EN_+3V3_VDD_SW: SV1.17 U2.68
EN_+5V0_ADAR: SV1.7 U2.63
EN_+5V0_PA1: SV1.19 U2.56
EN_+5V0_PA2: SV1.2 U2.57
EN_+5V0_PA3: SV1.4 U2.87
EN_+5V5_PA: SV1.6 U2.88
EN_OPAMP_IF_1: U8.15
EN_OPAMP_IF_2: U4.15
FPGA_ADC_CLOCK_N: J19.2 R4.1 U42.N12
FPGA_ADC_CLOCK_P: J19.1 R4.2 U42.N11
FPGA_CLOCK_TEST: JP20.1 U42.H14
FPGA_DAC_CLOCK: J18.1 U42.C13
FPGA_FLASH_CLK: R51.2 U42.E8
FPGA_FLASH_DQ0: U9.D3 U42.J13
FPGA_FLASH_DQ1: U9.D2 U42.J14
FPGA_FLASH_DQ2: R53.1 U9.C4 U42.K15
FPGA_FLASH_DQ3: R54.2 U9.D4 U42.K16
FPGA_FLASH_NCS: R52.1 U9.C2 U42.L12
FPGA_FLASH_NRST: R50.1 U9.A4 U42.L13
FPGA_PUDC_B: R69.1 U42.L15
FPGA_SYS_CLOCK: J1.1 U42.E12
FPGA_TCK: R62.1 R67.1 U42.L7
FPGA_TDI: R64.1 R65.1 U42.N7
FPGA_TDO: R63.1 R66.1 U42.N8
FPGA_TMS: R49.1 R68.1 U42.M7
GYR_INT: JP7.8 U2.98
LNA_BIAS_1: ADAR1_0.A11 ADTR1107_1.23 ADTR1107_2.23 ADTR1107_3.23 ADTR1107_4.23
LNA_BIAS_2: ADAR2_0.A11 ADTR1107_5.23 ADTR1107_6.23 ADTR1107_7.23 ADTR1107_8.23
LNA_BIAS_3: ADAR3_0.A11 ADTR1107_9.23 ADTR1107_10.23 ADTR1107_11.23 ADTR1107_12.23
LNA_BIAS_4: ADAR4_0.A11 ADTR1107_13.23 ADTR1107_14.23 ADTR1107_15.23 ADTR1107_16.23
M3S_VCTRL: RF_SW_1.6 RF_SW_2.6 RF_SW_3.6 RF_SW_4.6 RF_SW_5.6 RF_SW_6.6 RF_SW_7.6 RF_SW_8.6 RF_SW_9.6 RF_SW_10.6 RF_SW_11.6 RF_SW_12.6 RF_SW_13.6 RF_SW_14.6 RF_SW_15.6 RF_SW_16.6 U42.G15 U$1.6
MAG_DRDY: JP7.6 U2.96
MIX_RX_EN: U13.7 U42.D11
MIX_RX_N: C270.2 U13.3
MIX_RX_P: C268.2 U13.2
MIX_TX_EN: U5.7 U42.C11
N$1: R123.1 U69.11
N$2_N: C2.2 J21.2
N$2_P: C1.2 J21.1
N$4: C3.1 R1.1 U1.36
N$5: C43.2 R15.2 U4.1
N$6: SJ1.2 U1.26
N$7: C23.1 U2.71
N$8: C22.1 U2.106
N$9: C24.1 L5.1 U2.32 U2.33
N$10: R23.2 U3.1
N$11: R24.2 U3.2
N$12: R25.2 U3.3
N$13: R26.2 U3.4
N$14: R27.2 U3.5
N$15: C43.1 R15.1 U4.4
N$16: R28.2 U3.6
N$17: R38.2 U1.31
N$18: R29.2 U3.7
N$19: R30.2 U3.8
N$20: C272.1 U5.11
N$21: C83.2 U$1.3
N$22: R33.1 U3.18
N$23: C272.2 J23.1
N$24: C274.2 J22.1
N$25: R51.1 U9.B2
N$26: C85.1 U$1.15
N$32: JP3.1 R49.2
N$33: JP3.3 R62.2
N$34: JP3.5 R63.2
N$35: R14.1 U4.3
N$36: JP3.7 R64.2
N$37: C38.1 U3.23
N$38: C84.1 U$1.10
N$39: ADAR1_0.B3 R45.1
N$40: ADAR2_0.B3 R48.1
N$41: R36.1 R37.2 U1.29
N$42: ADAR2_0.M9 C87.1
N$43: C3.2 R13.1 U1.35
N$44: U1.40
N$45: ADAR2_0.M8 C86.1
N$46: ADAR2_0.N10 C92.1
N$48: R14.2 U4.2
N$49: R19.1 U4.5
N$50: R18.2 U4.16
N$51: C47.2 U4.14
N$52: R110.2 U2.50
N$53: ADAR2_0.N9 C93.1
N$56: C44.1 U4.11
N$57: ADAR3_0.B3 R72.1
N$58: C61.1 L3.2
N$59: ADAR3_0.M9 C95.1
N$60: ADAR3_0.M8 C94.1
N$61: ADAR3_0.N10 C96.1
N$62: C62.1 L4.2
N$63: ADAR3_0.N9 C97.1
N$64: ADAR4_0.B3 R75.1
N$65: C45.1 U4.10
N$66: ADAR1_0.N9 C91.1
N$67: C46.2 R16.1 R17.2
N$68: ADAR4_0.M9 C99.1
N$69: ADAR4_0.M8 C98.1
N$70: ADAR4_0.N10 C100.1
N$71: C64.1 L9.2
N$72: C274.1 U13.11
N$73: C48.2 R19.2
N$74: C70.2 RF_SW_3.3
N$75: ADAR4_0.N9 C101.1
N$76: ADAR1_0.M9 C89.1
N$77: ADAR1_0.M8 C88.1
N$78: C49.1 R18.1
N$79: ADAR1_0.N10 C90.1